# KiCad board HPM6P00ADCEVKRevB.kicad_pcb (continued)
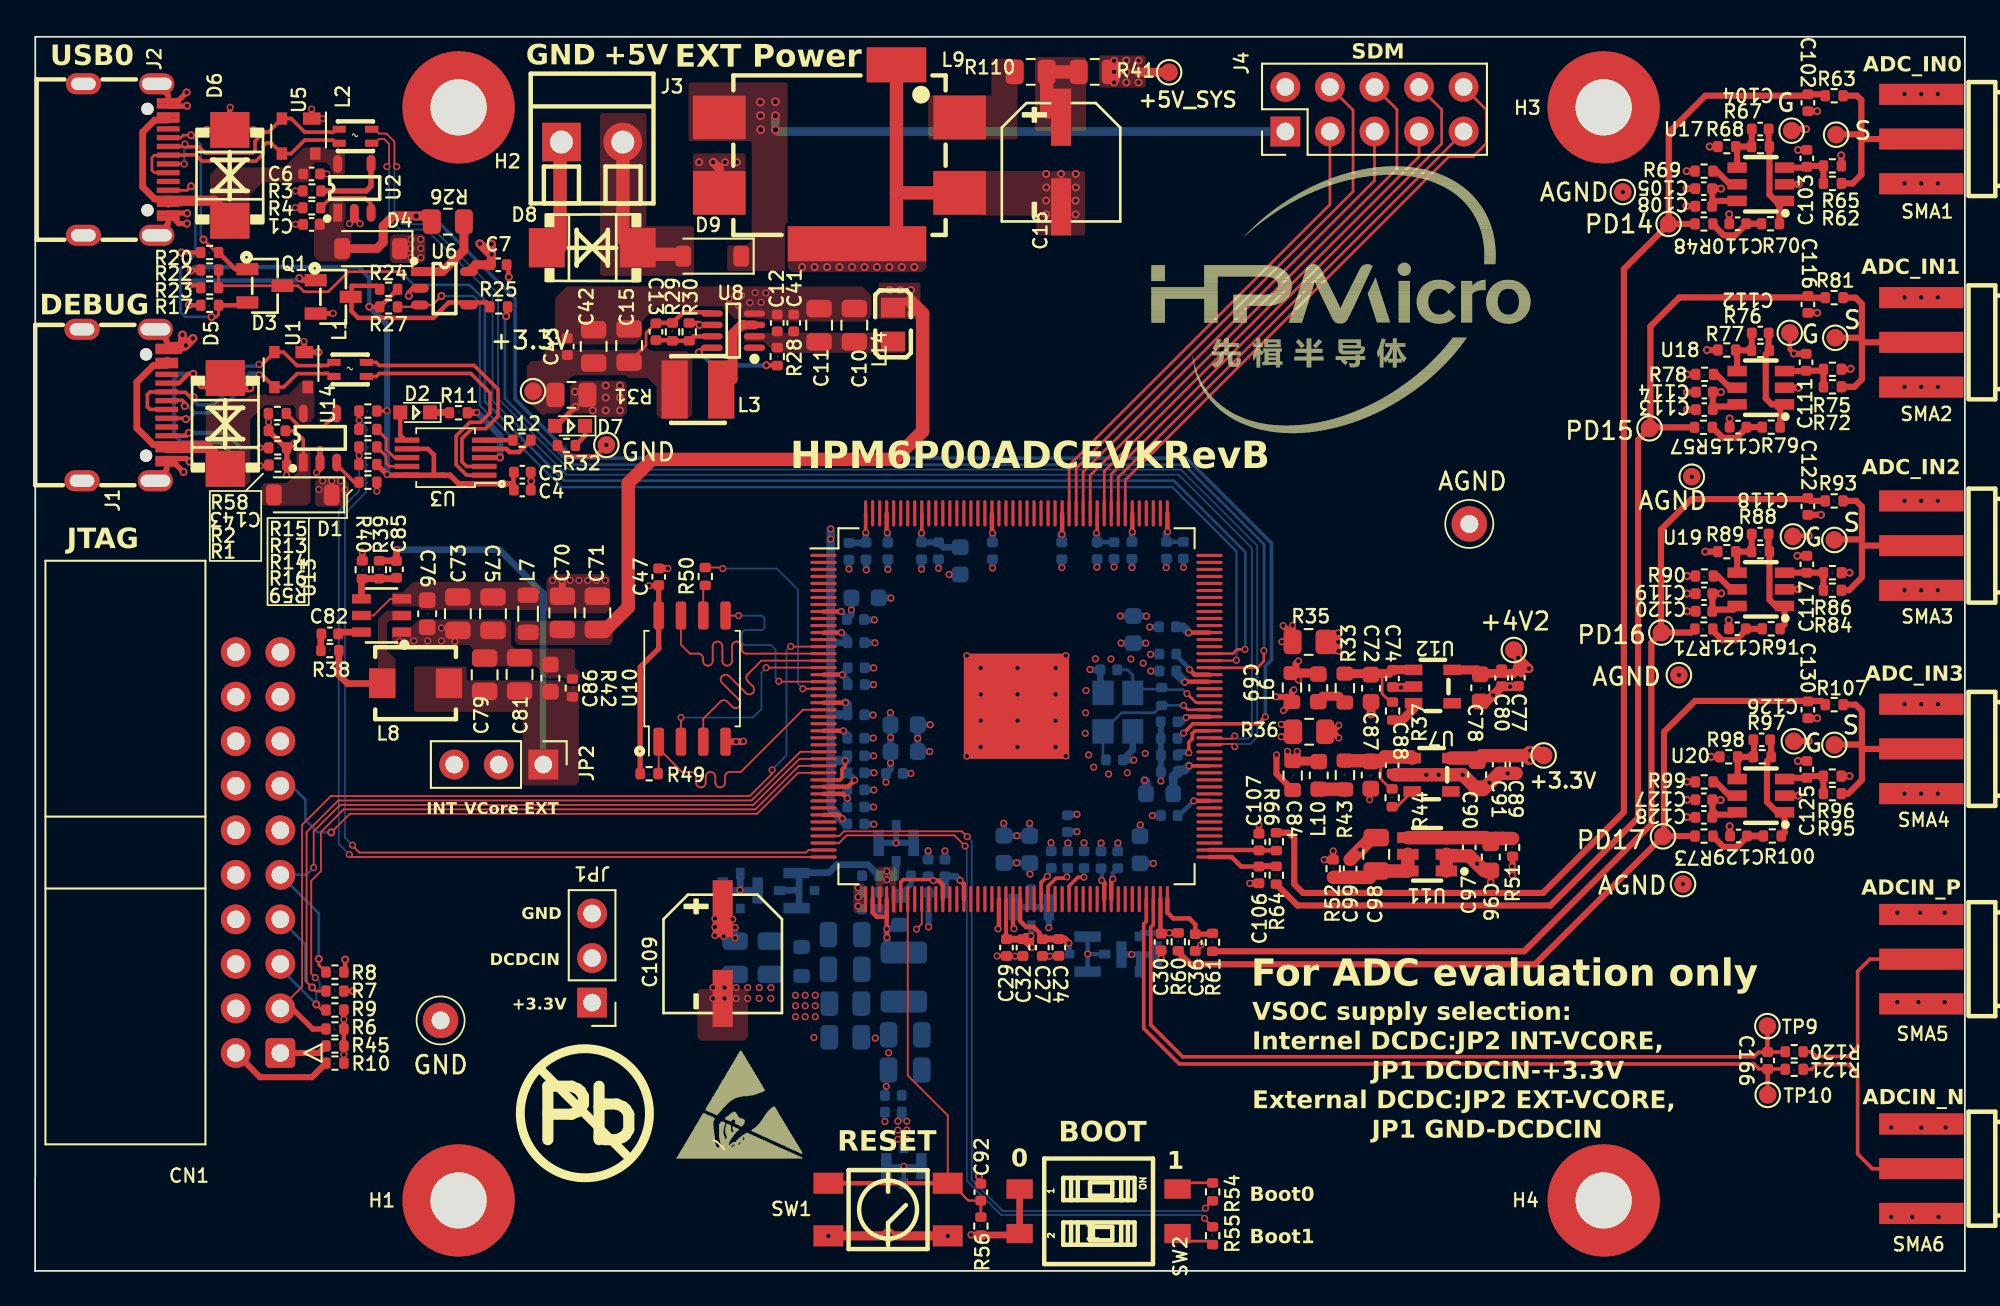
[diagram p0: board, top side]
## Routing (per net, layer and track width the routed paths; a pad name or vN(x,y) marks a point on that pad's centre or on a via; arc(x,y) is an arc through that point) (continued)
+5V: length 35.5
  TOP.Cu w0.203: D1.1 16.91,45.06 v1(16.91,45.06)
  TOP.Cu w0.254: v2(26.02,57.97) 26.02,57.38
  TOP.Cu w0.3: D4.1 21.42,58.3 v1(21.43,58.31)
  TOP.Cu w0.508: U6.5 25.12,57.38 26.02,57.38 26.01,57.39 v2(26.01,58.56) ; v2(26.02,57.97) 25.96,57.97 v2(25.35,58.58)
  BOTTOM.Cu w0.508: J4.1 42.3,64.98 v4(42.2,65.08) v4(42.2,65.88)
  vias: v1(16.18,44.56) v1(16.39,45.06) v1(17.42,45.06) v1(17.66,44.54) v1(21.43,58.82) v1(21.43,57.78) v1(21.98,58.83) v1(21.98,58.32) v1(21.98,57.79) v4(41.34,66.66) v4(41.35,65.88) v4(41.36,65.08) v4(42.2,66.68)
GND: length 138.9
  TOP.Cu w0.203: R59.1 v1(19.48,44.47)
  TOP.Cu w0.25: 28.28,45.55 28.28,44.54 ; 25.5,46.38 26.49,46.38 v2(26.5,46.39) ; 29.92,64.2 29.95,64.23
  TOP.Cu w0.254: R17.2 8.78,55.07 v2(8.77,55.08) ; v2(21.3,55.61) 21.3,55.81 21.53,56.04 U6.2 ; v2(32.56,47.11) 31.9,46.45 30.41,46.45 R32.1 ; v2(27,56.68) 26.98,56.7 26.98,57.38 ; 8.2,52.73 8.2,52.48 8.25,52.43 ; 8.2,52.73 8.55,52.73 8.25,52.43 ; 8.2,52.73 7.5,52.73 7.75,52.73 ; R20.2 v2(8.34,58.08) ; 53.91,4.98 53.8,5.1 v2(53.8,5.4) ; R30.1 37.76,54.06 v2(37.87,53.95) U8.6 ; 8.25,52.43 7.5,52.43 ; R8.2 17.67,17.12 v2(17.67,17.75)
  TOP.Cu w0.3: D6.1 11.1,66.34 v1(11.12,66.36) ; D6.1 12.44,65.07 v1(12.45,65.08) ; D6.1 9.82,65.07 v1(9.79,65.1) ; v1(14.77,47.22) 14.49,46.94 R2.2 ; C1.2 14.85,59.68 v1(14.84,59.69) ; v1(17.92,59.72) 18.2,60 U2.2 18.2,60.05 v1(18.53,59.72) ; v1(15.33,53.01) 15.34,53 U1.1 16.15,52.4 v2(16.16,52.39) ; Q1.2 16.98,54.6 v1(16.99,54.61) ; v1(14.33,45.39) 14.35,45.41 R1.2 14.35,46.93 R2.2 ; R3.1 v1(14.84,61.59) ; R2.2 14.28,46.94 C143.2 v1(13.31,48.42) 13.3,48.43 R58.1 ; v1(16.39,65.72) U5.1 15.77,66.25 v1(15.76,66.26) ; v1(16.24,46.85) U14.2 16.24,45.74 v1(16.04,45.54) ; R4.1 14.84,60.63 v1(14.83,60.64) ; C6.2 v1(16.63,62.56)
  TOP.Cu w0.305: v2(8.67,60.31) 8.65,60.33 J2.B1 8.19,59.73 v2(8.66,59.73) ; J2.1 7.59,67.05 J2.A1 8.16,66.73 v2(8.64,67.21) ; 7.5,46.33 8.63,46.33 v2(8.81,46.15) ; v2(8.66,66.45) 8.64,66.43 J2.B12 ; v2(8.46,45.56) 7.99,46.03 7.5,46.03 7.5,45.71 J1.2 ; 7.5,52.73 7.5,53.05 J1.1 ; J2.A12 7.59,59.71 J2.2
  TOP.Cu w0.349: v1(71.07,35.88) 71.08,35.87 R35.1 ; 71.42,30.46 R36.1 71.29,31.17 ; R35.1 71.68,36.26 v1(71.14,36.8) ; R35.1 v1(71.68,36.81) ; v1(70.76,29.43) 70.76,28.35 C84.2 ; v1(71.16,31.96) C69.2 ; C69.2 71.64,33.03 v1(71.75,33.14) ; C69.2 71.34,32.74 v1(70.71,32.74)
  TOP.Cu w0.381: R11.2 24.66,48.96 v1(25.17,48.96) ; v1(40.38,30.2) 40.35,30.18 v1(39.95,30.18) U10.4 ; R40.1 18.65,41.01 v1(18.65,41.01) ; C47.2 35.55,40.06 v1(36.07,40.06) ; v1(71.03,30.46) 71.42,30.46 ; 71.29,31.17 71.08,31.17 ; C70.2 30.05,39.36 v1(30.03,39.38)
  TOP.Cu w0.508: v2(38.65,63.23) 39,62.88 L9.3 ; 7.75,52.73 8.4,52.73 v2(8.4,53.38) ; v2(9.48,50.56) 9.5,50.54 11.34,50.54 11.52,50.36 v2(12.25,50.36) ; 8.55,52.73 v2(9,53.18) ; v1(45.22,2) v1(52.02,2)
  TOP.Cu w0.762: 49.1,61.45 49.13,61.48 L9.4 ; 49.1,61.45 49.1,58.59 ; 49.1,61.45 L9.5 ; 29.92,58.37 29.92,64.2
  BOTTOM.Cu w0.254: v1(65.46,40.12) 65.45,40.13 C133.2 ; C59.2 64.07,35.16 v1(63.58,35.16) ; W1.3 v1(49.52,5.96) ; v1(49.52,5.96) W1.2 ; v1(49.52,5.96) W1.4 ; C93.2 v1(61.5,40.15)
  BOTTOM.Cu w0.349: 64.17,29.42 C83.2 v1(64.17,27.94) ; C95.2 v1(51.5,40.07) ; v1(49.08,24.41) W5.4 ; W5.3 W5.2 ; C64.2 v1(50.93,19.62) ; 64.11,36.72 v1(63.53,36.72) ; 64.17,31.32 64.17,30.37 ; 64.16,29.42 C54.2
  BOTTOM.Cu w0.381: C55.2 47.79,33.44 v1(47.79,33.44) ; v1(61.86,37.35) C142.2 63.34,37.35 v1(63.35,37.34) ; C94.1 47.81,25.48 v1(47.81,25.48) ; C172.2 59.79,24.42 v1(59.79,24.42) ; v1(48.61,40) 48.6,40.01 48.6,40.45 ; v1(59.39,26.04) 59.38,26.03 58.85,26.03 ; v1(58.87,24.41) 58.86,24.4 C35.2 ; v1(63,25.44) 62.98,25.42 C136.2 ; v1(47.38,39.98) 47.38,40.45 ; C132.2 47.79,34.4 v1(47.8,34.39) ; v1(47.78,30.39) 47.27,30.39 C57.2 ; C62.2 47.81,27.44 v1(47.81,27.43) ; v1(58.53,40.11) 58.53,40.45 ; v1(47.84,37.13) 47.26,37.13 C137.2 ; v1(50.99,29.62) C138.2 v1(50.31,30.37) C140.2 v1(51.02,31.15) ; C56.1 v1(50.9,23.96) ; W2.2 40.22,21.69 ; 40.22,21.69 v1(40.19,21.72) W2.4 ; 40.22,21.69 W2.3 ; v1(51.87,23.95) C65.2 ; C63.2 v1(47.8,26.46) ; v1(61.72,24.41) 61.71,24.4 C48.2 ; v2(26.5,46.39) 26.5,47.64 25.18,48.96 v1(25.17,48.96) ; C139.2 v1(60.76,24.41) ; v1(63.59,34.21) 63.6,34.22 64.11,34.22 ; C49.2 57.92,24.42 v1(57.91,24.43) ; v1(47.8,29.37) 47.8,29.38 C40.1 ; v1(50.53,40.02) 50.53,40.45 ; 60.15,34.28 C66.2 60.72,33.12 ; v1(48.78,38.37) 48.77,38.38 C38.2 ; v1(62.53,40.11) 62.53,40.45 ; C131.2 v1(49.92,28.37) ; v1(47.82,28.41) C58.2 ; C134.2 v1(52.1,39.72) ; C67.2 62.57,29.71 X1.4 ; v1(62.63,29.13) 62.01,29.13 ; v1(55.21,25.53) 55.22,25.52 C141.2 v1(55.96,24.82) 56.69,24.82 C135.2 56.7,25.52 v1(56.69,25.53) ; 54.58,40.58 54.57,40.57 v1(54.57,40.09) ; v1(47.77,31.7) 47.76,31.71 C46.1 ; C123.2 v1(46.39,40.03) ; C50.2 v1(63.68,25.97) ; v1(64.47,40.11) 64.47,40.45 ; C45.1 47.86,35.83 v1(47.87,35.82) ; v1(60.53,40.14) 60.53,40.45
  BOTTOM.Cu w0.508: C39.2 63.32,27.9 v1(63.25,27.98)
  vias: v1(20.77,35.9) v1(21.59,35.93) v1(22.37,35.93) v1(23.16,36.67) v1(23.16,35.93) v1(23.92,35.9) v1(29.5,39.38) v1(30.5,39.38) v1(31,39.38) v1(31.5,39.38) v1(32,39.38) v1(32.5,39.38) v1(38.64,16.16) v1(38.64,15.54) v1(39.3,16.16) v1(39.3,15.54) v1(39.55,55.45) v1(39.96,16.16) v1(39.96,15.54) v1(40.11,55.05) v1(40.27,55.64) v1(40.62,16.16) v1(40.62,15.54) v1(40.74,55.22) v1(41.04,55.79) v1(41.28,16.16) v1(41.28,15.54) v1(41.38,55.24) v1(41.65,55.77) v1(41.94,16.16) v1(41.94,15.54) v1(43.34,15.72) v1(43.34,15.12) v1(43.34,14.5) v1(43.9,15.72) v1(43.9,15.12) v1(43.9,14.5) v1(44.39,13.31) v1(44.47,15.72) v1(44.47,15.12) v1(44.47,14.5) v1(47.89,13.28) v1(48.44,8.52) v1(48.52,10.53) v1(48.65,12.44) v1(53.11,35.09) v1(53.11,29.36) v1(53.9,34.38) v1(53.9,32.88) v1(53.9,31.38) v1(53.9,29.88) v1(56,34.38) v1(56,32.88) v1(56,31.38) v1(56,29.88) v1(58.17,34.38) v1(58.17,32.88) v1(58.17,31.38) v1(58.17,29.88) v1(58.75,35.09) v1(58.75,29.37) v1(59.9,33.1) v1(59.88,31.83) v1(59.86,30.66) v1(60.13,34.3) v1(60.05,29.43) v1(60.34,28.73) v1(60.44,34.91) v1(61.19,28.34) v1(61.32,34.9) v1(62.26,28.41) v1(62.46,34.9) v1(63.16,34.66) v1(63.28,29.51) v1(71.03,31.17) v2(8.6,52.78) v2(28.28,45.04) v2(37.85,63.23) v2(39.33,63.23) v2(40,63.23) v2(43.72,57.25) v2(44.43,57.25) v2(45.14,57.25) v2(45.85,57.25) v2(46.56,57.25) v2(47.27,57.25) v2(47.98,57.25) v2(48.69,57.25) v2(49.4,57.25) v2(50.12,57.25) v2(57.63,62.56) v2(57.64,61.79) v2(57.63,61.04) v2(57.63,60.25) v2(58.48,62.56) v2(59.32,62.56) v2(59.32,61.79) v2(59.31,61.04) v2(59.31,60.25) v3(48.64,2.03)
GNDA: length 67.2
  TOP.Cu w0.25: v2(100.25,52.32) 100.02,52.55 TP16.1 ; v2(101.1,41.92) 100.18,41.92
  TOP.Cu w0.254: v1(54.84,17.96) C29.2 C32.2 ; 58.18,17.97 58.17,17.96 57.24,17.96 ; U9.66 55.74,19.57 v1(55.8,19.52) ; v1(54.88,19.51) 54.94,19.57 U9.64 ; 94.17,26.86 94.63,26.86 C127.2
  TOP.Cu w0.3: 94.19,50.11 94.2,50.12 94.64,50.12 ; v1(69.75,25.44) 69.76,25.43 C107.2 ; C30.2 64.18,17.84 v1(64.19,17.83) ; v1(76.07,26.88) 76.07,27.43 ; v1(66.45,18.58) 66.45,18.57 C36.2
  TOP.Cu w0.349: C113.2 94.18,49.12 94.17,49.11 ; v2(94.13,61.72) C105.2 ; v2(102.95,63.62) 102.96,63.61 R65.1 ; C121.2 96.55,37.11 v2(96.54,37.12) ; 73.77,35.87 v1(74.29,35.35) ; 73.77,35.87 v1(74.28,36.38) ; 73.77,35.87 R35.2 ; v1(74.29,35.35) 74.28,35.36 v1(74.28,36.38) ; v1(74.29,35.35) 74.02,35.35 R35.2 ; 94.15,38.63 94.16,38.62 94.62,38.62 ; R96.1 v2(103.42,28.22) ; v2(101.58,54.64) C116.2 ; v2(101.58,66.14) C102.2 ; v1(74.31,31.12) 73.94,30.75 R36.2 73.96,30.75 v1(74.31,30.4) ; R35.2 74.01,36.38 v1(74.28,36.38) ; R35.2 v1(74.28,35.87) ; v2(94.14,62.72) R69.2 ; C122.2 v2(101.8,43.12) ; v2(100.51,27.11) 100.5,27.1 99.81,27.1 ; R68.2 v2(95.45,64.12) ; v2(96.59,48.62) 96.59,48.61 C115.2 ; C130.2 v2(101.58,31.52) ; R77.2 v2(95.3,52.52) ; R98.2 v2(95.53,29.32) ; v2(94.13,60.73) 94.62,60.73 C108.2 ; v2(100.25,52.32) 100.27,52.3 C111.2 ; v2(100.45,40.78) C117.2 ; U18.2 v2(100.51,50.37) ; R86.1 v2(103.42,39.82) ; 100.15,65.12 v2(100.95,65.12) ; v2(96.59,25.36) 96.59,24.8 ; C110.2 96.57,60.26 v2(96.56,60.26) ; v2(100.48,29.08) C125.2 ; 94.12,27.9 94.13,27.89 R99.2 ; v2(94.16,25.88) 94.17,25.87 C128.2 ; v2(100.49,63.93) C103.2 ; R89.2 v2(95.2,41.02) ; U19.2 v2(100.51,38.87) ; R75.1 103.46,51.42 v2(103.49,51.45) ; U17.2 v2(100.52,61.97) ; v2(94.16,39.63) R90.2 ; 94.14,37.62 94.62,37.62 ; 100.25,30.22 v2(101.1,30.22) ; v2(94.16,51.13) R78.2
  TOP.Cu w0.381: v1(69.24,22.1) C106.2 ; C96.2 82.98,22.18 v1(82.96,22.17)
  TOP.Cu w0.508: U12.2 78.52,33.28 77.37,33.28 ; 84.55,33.33 84.54,33.32 v1(84.08,33.32) 83.59,33.32 v1(83.11,32.84) 82.7,32.43 82.37,32.43 ; 76.15,32.4 76.15,31.77 v1(76.16,31.76)
  TOP.Cu w0.762: 74.96,23.46 v1(75.52,24.02) 75.97,24.48 ; 77.5,28.3 U7.2 v1(79.3,28.3) v1(81.37,28.3) 82.2,27.47 82.55,27.47 83.46,28.38 84.42,28.38 ; U11.2 U11.1 ; 82.59,22.83 v1(82.2,23.23) C97.2 80.53,23.68
  BOTTOM.Cu w0.254: v1(60,18.07) W6.3 ; v1(60,18.07) W6.4 ; v1(60,18.07) W6.2
  BOTTOM.Cu w0.349: W8.4 62.93,18.04 62.92,18.05 ; 56.77,20.75 W7.3 v1(57.78,19.57) ; 56.77,20.75 56.78,20.76 W7.4 ; 56.77,20.75 W7.2 ; 62.92,18.05 W8.2 ; 62.92,18.05 v1(62.51,18.05) W8.3
  vias: v1(55.86,17.95) v1(57.84,17.95) v1(77.86,33.27) v1(80,28.3) v1(82.9,27.85) v1(83.93,28.37) v1(93.93,22.06) v1(105.8,8.18) v1(105.8,3.08) v1(106.15,20.43) v1(106.15,15.33) v1(107,3.08) v1(107.35,15.33) v1(107.45,20.43) v1(107.51,8.17) v1(108.5,3.08) v1(108.85,20.43) v1(108.85,15.33) v1(108.9,8.18) v2(90.5,61.53) v2(93.7,33.98) v2(94.16,50.11) v2(94.16,49.11) v2(94.16,38.63) v2(94.16,37.62) v2(94.16,27.9) v2(94.16,26.86) v2(94.43,45.29) v2(106.56,67.12) v2(106.56,62.02) v2(106.56,55.52) v2(106.56,50.42) v2(106.56,43.92) v2(106.56,38.82) v2(106.56,32.32) v2(106.56,27.22) v2(107.51,67.12) v2(107.51,62.02) v2(107.51,55.52) v2(107.51,50.42) v2(107.51,43.92) v2(107.51,38.82) v2(107.51,32.32) v2(107.51,27.22) v2(108.46,67.12) v2(108.46,62.02) v2(108.46,55.52) v2(108.46,50.42) v2(108.46,43.92) v2(108.46,38.82) v2(108.46,32.32) v2(108.46,27.22)
VBUS: length 82.9
  TOP.Cu w0.203: R26.2 22.31,60.15 v4(21.72,60.15) ; v1(70.12,31.6) 69.73,31.2 U9.108 66,31.2 v1(65.46,30.67)
  TOP.Cu w0.508: D4.2 19.48,58.3 19.84,58.66 19.84,59.59 20.42,60.17 22.29,60.17
  TOP.Cu w0.762: 22.29,60.17 R26.2
  BOTTOM.Cu w0.203: 65.12,30.49 65.28,30.49 v1(65.46,30.67) ; v1(70.12,31.6) 70.12,34.49 70.47,34.84 70.47,41.51 65.62,46.35 30.72,46.35 27.36,49.72 27.36,55.44 22.65,60.15 v4(21.72,60.15)
VDD_SOC: length 42.9
  TOP.Cu w0.203: U9.143 60.54,42.12 v1(60.5,42.08) ; v1(50.53,42.08) 50.54,42.1 U9.168 ; v1(47.35,42.1) 47.34,42.11 U9.176 ; v1(58.81,22.47) 58.74,22.4 58.2,22.4 57.74,21.94 U9.71 ; v1(65.78,28.8) U9.102
  TOP.Cu w0.254: v1(65.61,31.56) 65.66,31.6 66.94,31.6 ; U9.133 64.54,42.16 v1(64.55,42.16) ; v1(60.8,22.27) 60.94,22.13 U9.79 ; v1(45.95,37.6) 44.94,37.6 ; 44.94,27.6 45.7,27.6 ; U9.18 46,34 v1(46.01,33.99) ; 66.88,33.6 65.56,33.6 v1(65.53,33.57) ; U9.26 v1(46.08,30.8) ; v1(46.72,28) 46.34,27.61 45.35,27.61
  BOTTOM.Cu w0.102: 47.35,41.51 47.36,41.49
  BOTTOM.Cu w0.203: 58.82,22.97 58.82,22.48 v1(58.81,22.47)
  BOTTOM.Cu w0.254: v1(60.8,22.27) 60.8,22.93 C139.1 ; C93.1 C101.1 ; 46.42,37.34 46.22,37.34 v1(45.95,37.6) ; 65.52,41.57 65.51,41.58 C34.1 ; 60.53,42.05 v1(60.5,42.08)
  BOTTOM.Cu w0.349: 65.13,31.32 65.37,31.32 v1(65.61,31.56) ; C95.1 C33.1 ; C137.1 46.53,37.4 v1(46.53,37.69) 46.53,38.61 46.5,38.64
  BOTTOM.Cu w0.381: C33.1 50.53,41.55 v1(50.53,42.08) ; v1(46.72,28) 46.3,28.41 C58.1 ; C123.1 47.35,41.52 C37.1 47.35,41.54 v1(47.35,42.1) ; 58.85,25.07 59.37,25.07 v1(59.39,25.05) ; C136.1 v1(63.74,23.24) ; v1(64.55,42.16) 64.47,42.08 64.47,41.56 64.55,41.48 ; v1(48.5,27.87) C131.1 48.76,28.63 v1(48.76,28.97) C138.1 v1(48.76,30.42) C140.1 48.76,31.83 v1(48.75,31.84) ; C134.1 51.78,41.27 C95.1 ; C141.1 v1(55.95,23.27) 56.69,23.27 C135.1 56.7,22.64 v1(56.71,22.63) ; v1(61.9,35.81) 61.91,35.8 C142.1 v1(63.31,35.8) ; C55.1 46.32,33.68 v1(46.01,33.99) 46.32,34.3 C132.1 ; v1(46.08,30.8) 46.3,30.58 C57.1 ; 60.53,41.41 60.53,42.05
  BOTTOM.Cu w0.508: C39.1 64.88,28.19 C83.1 ; 65.13,28.57 65.54,28.57 v1(65.78,28.8) ; 65.53,33.61 65.07,34.07 65.07,34.22
(no net): length 39.2
  GND02.Cu w0.152: 59.67,59.42 65.73,59.42 70.02,55.13 70.02,36.68 70.48,36.22 70.48,35.21 70.28,35.01 70.28,32.29 70.55,32.02 70.55,31.22 70.16,30.83 70.16,29.06 70.45,28.77
/HPM600ADCEVK MAINENTRY/ADC_Signal_IN/IN0: length 11.8
  TOP.Cu w0.349: R63.1 103.85,67.02 104.1,66.77 104.1,64.82 ; R62.1 103.6,62.02 104.1,62.52 104.1,64.57 ; 105.52,64.55 105.5,64.57 ; 104.1,64.82 104.1,64.57 ; 104.1,64.82 102.45,64.82 ; 104.1,64.57 104.12,64.55 SMA1.5
/HPM600ADCEVK MAINENTRY/ADC_Signal_IN/IN1: length 12
  TOP.Cu w0.349: R72.1 103.7,50.42 104.13,50.85 104.13,52.97 ; R81.1 103.76,55.51 104.13,55.14 104.13,53.17 ; 104.13,53.17 104.13,52.97 ; 104.13,53.17 104.08,53.22 102.45,53.22 ; 104.13,52.97 104.14,52.96 SMA2.5 ; 105.5,52.96 105.5,52.96
/HPM600ADCEVK MAINENTRY/ADC_Signal_IN/IN2: length 11.8
  TOP.Cu w0.349: 104.13,41.27 104.22,41.36 SMA3.5 ; 104.13,41.27 104.13,41.77 ; 104.13,41.27 104.13,39.55 103.4,38.82 R84.1 ; 104.13,41.77 104.13,43.59 103.8,43.91 R93.1 ; 104.13,41.77 104.08,41.72 102.45,41.72
/HPM600ADCEVK MAINENTRY/ADC_Signal_IN/IN3: length 11.8
  TOP.Cu w0.349: 105.51,29.77 105.5,29.76 ; 104.13,29.77 104.13,28 103.35,27.22 R95.1 ; 104.13,29.77 SMA4.5 ; 104.13,29.77 104.13,30.12 ; 104.13,30.12 104.03,30.02 102.45,30.02 ; 104.13,30.12 104.13,31.94 103.77,32.29 R107.1
/HPM600ADCEVK MAINENTRY/ADCIN_N: length 46.4
  TOP.Cu w0.203: R121.2 99.74,11.52 C166.2 98.26,11.52 97.97,11.81 65.22,11.81 63.19,13.84 63.19,19.78 63.34,19.93 U9.85
  TOP.Cu w0.254: TP10.1 C166.2
/HPM600ADCEVK MAINENTRY/ADCIN_P: length 45.8
  TOP.Cu w0.203: R120.2 99.74,12.48 C166.1 98.24,12.48 97.97,12.21 65.41,12.21 63.59,14.03 63.59,19.6 63.74,19.75 U9.86
  TOP.Cu w0.254: TP9.1 98.74,12.5 C166.1
/HPM600ADCEVK MAINENTRY/DEBUG/DN1: length 14.9
  TOP.Cu w0.2: v2(9.03,49.83) 8.85,49.83 8.57,50.1 8.03,50.1 8,50.13 6.55,50.13 6.4,49.98 6.4,49.28 6.55,49.13 7.5,49.13
  TOP.Cu w0.203: v1(12.76,51.7) 12.84,51.63 12.87,51.63 U1.2 14.17,52.4 14.94,51.63 16.29,51.63 16.3,51.64 16.69,51.64 16.86,51.81 L1.1
  BOTTOM.Cu w0.2: v2(9.03,49.83) 9.03,49.65 9.29,49.39 10.2,49.39 11.23,50.42 11.23,50.8 12.04,51.6 12.66,51.6 v1(12.76,51.7)
/HPM600ADCEVK MAINENTRY/DEBUG/DP1: length 13.7
  TOP.Cu w0.2: 7.5,49.63 8,49.63 8.03,49.66 8.39,49.66 8.53,49.51 v2(8.53,49.33) ; 7.5,48.63 8.55,48.63 v2(8.6,48.58)
  TOP.Cu w0.203: L1.4 16.86,51.01 16.69,51.18 16.48,51.18 16.47,51.17 14.94,51.17 14.17,50.4 U1.3 12.87,51.17 12.84,51.17 v1(12.76,51.1)
  BOTTOM.Cu w0.2: v1(12.76,51.1) 12.66,51.2 12.2,51.2 11.69,50.68 11.69,50.24 10.38,48.94 9.11,48.94 ; 9.11,48.94 8.71,49.33 v2(8.53,49.33) ; 9.11,48.94 8.75,48.58 v2(8.6,48.58)
/HPM600ADCEVK MAINENTRY/DEBUG/USB2UART_N: length 14.9
  TOP.Cu w0.203: L1.2 19.45,51.81 19.62,51.64 25.02,51.64 26.39,50.27 26.39,48.75 25.68,48.04 24.9,48.04 24.33,47.47 24.33,46.15 24.6,45.88 25.5,45.88
/HPM600ADCEVK MAINENTRY/DEBUG/USB2UART_P: length 14.6
  TOP.Cu w0.203: 25.5,45.38 24.6,45.38 24,45.98 24,47.62 24.77,48.39 25.39,48.39 25.93,48.93 25.93,50.09 24.84,51.18 19.62,51.18 19.45,51.01 L1.3
/HPM600ADCEVK MAINENTRY/MCU_POWER/T1: length 7.3
  TOP.Cu w0.254: U9.46 47.74,20.44 47.98,20.2 48.54,20.2 48.54,20.42 ; 48.54,20.42 U9.48 ; 48.54,20.42 v1(48.54,19.51) 48.54,19.03 v1(48.56,19.01)
  BOTTOM.Cu w0.3: 49.51,18.51 49.83,18.19
  BOTTOM.Cu w0.381: R47.2 49.06,19.53 48.56,19.53 v1(48.54,19.51) 48.54,18.78 49.16,18.16 L4.2
/HPM600ADCEVK MAINENTRY/MCU_USB&OSC/RESETN: length 27.5
  TOP.Cu w0.102: SW1.3 52.02,8.87 49.74,11.15 U9.51 49.78,21.24 ; C92.1 54.07,4.01 54.11,4.05
  TOP.Cu w0.127: SW1.3 52.21,5 53.2,4.01 53.9,4.01 53.91,4.02
  TOP.Cu w0.152: 53.91,4.02 R56.2
  TOP.Cu w0.25: SW1.4 SW1.3
/HPM600ADCEVK MAINENTRY/PA0: length 51.8
  TOP.Cu w0.102: v1(17.91,23.75) 18.06,23.6 44.94,23.6
  TOP.Cu w0.3: R14.2 R16.2
  BOTTOM.Cu w0.102: 17.35,43.37 17.53,43.55 ; 17.53,43.55 18.47,44.49 v1(18.47,46.5) ; 17.53,43.55 17.31,43.33 17.31,24.35 v1(17.91,23.75)
/HPM600ADCEVK MAINENTRY/PA1: length 53.2
  TOP.Cu w0.102: v1(18.09,24.28) 18.09,24.25 18.48,23.86 43.94,23.86 44.09,24 U9.43
  TOP.Cu w0.203: R15.2 R13.2
  BOTTOM.Cu w0.102: v1(18.09,24.28) 17.66,24.71 17.66,43.2 18.85,44.39 18.85,48.13 v1(18.47,48.51)
/HPM600ADCEVK MAINENTRY/PA2: length 42.7
  TOP.Cu w0.102: v1(66.66,3) 66.66,2.98 R55.2 67.12,2.52 ; U9.42 45.83,24.41 46.26,24.84 52.4,24.84 v1(53.01,24.23)
  BOTTOM.Cu w0.102: v1(53.01,24.23) 53.11,24.13 53.11,5.15 55.07,3.19 66.47,3.19 v1(66.66,3)
/HPM600ADCEVK MAINENTRY/PA3: length 42.8
  TOP.Cu w0.102: U9.41 45.84,24.8 46.11,25.07 52.83,25.07 v1(53.13,24.77) ; R54.2 66.71,3.59 v1(66.71,3.58)
  BOTTOM.Cu w0.102: v1(66.71,3.58) 66.54,3.41 55.16,3.41 53.39,5.19 53.39,24.51 v1(53.13,24.77)
/HPM600ADCEVK MAINENTRY/PA4: length 34.1
  TOP.Cu w0.102: v2(16.88,25.01) 17.94,26.07 41.16,26.07 43.49,28.41 U9.32
  BOTTOM.Cu w0.152: v2(16.88,25.01) 16.12,25.01 15.41,25.72 15.41,26.88 14.62,27.67 CN1.13
/HPM600ADCEVK MAINENTRY/PA5: length 44.4
  TOP.Cu w0.102: U9.31 43.53,28.8 41.05,26.32 17.58,26.32 16.29,25.03 16.29,22.8 15.74,22.25 15.74,16.95 v1(15.97,16.72)
  TOP.Cu w0.152: R9.2 16.35,14.88 v2(16.03,15.2)
  BOTTOM.Cu w0.102: v2(16.03,15.2) 16.03,15.79 16.22,15.98 16.22,16.47 v1(15.97,16.72)
  BOTTOM.Cu w0.152: v2(16.03,15.2) 13.98,17.25 CN1.5
/HPM600ADCEVK MAINENTRY/PA6: length 41.5
  TOP.Cu w0.102: v1(15.88,23) 15.88,25.07 17.39,26.58 40.95,26.58 43.58,29.2 U9.30
  TOP.Cu w0.152: v2(16.17,17.79) 16.17,17.45 R8.1
  BOTTOM.Cu w0.152: v2(16.17,17.79) 16.17,20.4 CN1.9 15.47,22.59 v1(15.88,23)
/HPM600ADCEVK MAINENTRY/PA7: length 45.9
  TOP.Cu w0.102: v2(15.79,16.17) 15.47,16.48 15.47,25.02 17.28,26.83 40.84,26.83 43.62,29.6 44.94,29.6
  TOP.Cu w0.152: R7.1 16,15.96 v2(15.79,16.17)
  BOTTOM.Cu w0.152: CN1.7 15.4,18.63 15.4,16.56 v2(15.79,16.17)
/HPM600ADCEVK MAINENTRY/PA8: length 51.6
  TOP.Cu w0.102: v1(42.01,28.57) 42.01,28.36 40.74,27.08 16.86,27.08 15.22,25.44 15.22,16.21 CN1.3 ; v1(43.07,35.61) 43.08,35.6 44.94,35.6
  TOP.Cu w0.3: CN1.3 14.65,14.97 15.82,13.8 R6.2 16.58,13.8
  BOTTOM.Cu w0.102: v1(42.01,28.57) 42.01,28.58 42.83,29.4 42.83,35.37 v1(43.07,35.61)
/HPM600ADCEVK MAINENTRY/PA24: length 16.5
  TOP.Cu w0.102: 35.58,28.52 35.55,28.55 35.55,28.8 ; 35.55,28.8 35.55,28.39 R49.1 ; 35.55,28.8 U10.1 35.55,29.78 36.88,28.45 37.4,28.45 arc(37.59,28.37) 37.67,28.18 37.67,27.85 arc(37.76,27.66) 37.95,27.58 arc(38.14,27.66) 38.22,27.85 38.22,28.18 arc(38.31,28.37) 38.5,28.45 arc(38.69,28.37) 38.78,28.18 38.78,27.85 arc(38.86,27.66) 39.05,27.58 arc(39.24,27.66) 39.33,27.85 39.33,28.18 arc(39.41,28.37) 39.6,28.45 40.22,28.45 43.78,32 U9.23
/HPM600ADCEVK MAINENTRY/PA26: length 12.8
  TOP.Cu w0.102: v1(43.76,33.2) 43.77,33.2 U9.20 ; R50.2 39.14,40.11 v1(39.2,40.05)
  BOTTOM.Cu w0.102: v1(43.76,33.2) 43.49,33.47 43.49,38.85 42.28,40.05 v1(39.2,40.05)
/HPM600ADCEVK MAINENTRY/PA27: length 11.3
  TOP.Cu w0.102: v1(40.1,37.37) 39.36,37.37 U10.5 ; v1(42.39,33.63) 42.42,33.6 44.94,33.6
  BOTTOM.Cu w0.102: v1(40.1,37.37) 41.43,37.37 41.57,37.23 41.57,36.67 41.45,36.55 40.44,36.55 40.29,36.4 40.29,35.83 40.42,35.7 41.94,35.7 42.21,35.43 42.21,33.81 v1(42.39,33.63)
/HPM600ADCEVK MAINENTRY/PA28: length 11.9
  TOP.Cu w0.102: v1(41.67,34.4) 41.68,34.41 U9.17 ; v1(36.82,31.56) 36.81,31.55 U10.2
  BOTTOM.Cu w0.102: v1(36.82,31.56) 40.92,31.56 41.4,32.04 41.4,34.13 v1(41.67,34.4)
/HPM600ADCEVK MAINENTRY/PA29: length 14.3
  TOP.Cu w0.102: 38.08,30.18 38.08,31.49 39.06,32.47 arc(39.26,32.55) 39.45,32.47 39.74,32.18 arc(39.93,32.1) 40.13,32.18 arc(40.21,32.38) 40.13,32.57 39.16,33.53 arc(39.08,33.73) 39.16,33.92 arc(39.36,34) 39.55,33.92 40.52,32.96 arc(40.71,32.88) 40.9,32.96 arc(40.99,33.15) 40.9,33.35 40.62,33.63 arc(40.54,33.83) 40.62,34.02 41.4,34.8 U9.16
/HPM600ADCEVK MAINENTRY/PA30: length 14.3
  TOP.Cu w0.102: U10.7 36.81,35.71 37.33,35.2 37.8,35.2 arc(37.99,35.12) 38.08,34.93 38.08,34.79 arc(38.16,34.6) 38.35,34.52 arc(38.54,34.6) 38.62,34.79 38.62,35.62 arc(38.71,35.81) 38.9,35.89 arc(39.09,35.81) 39.17,35.62 39.17,34.79 arc(39.26,34.6) 39.45,34.52 arc(39.64,34.6) 39.72,34.79 39.72,35.62 arc(39.81,35.81) 40,35.89 arc(40.19,35.81) 40.28,35.62 40.28,35.48 arc(40.36,35.29) 40.55,35.2 U9.15
/HPM600ADCEVK MAINENTRY/PC0: length 27.9
  TOP.Cu w0.152: U9.147 58.94,45.95 73.81,60.81 J4.3
/HPM600ADCEVK MAINENTRY/PC1: length 31.4
  TOP.Cu w0.152: J4.4 75.12,66.2 75.12,61.55 59.34,45.77 U9.146
/HPM600ADCEVK MAINENTRY/PC2: length 28.7
  TOP.Cu w0.152: J4.5 76.34,62.17 59.74,45.57 U9.145
/HPM600ADCEVK MAINENTRY/PC3: length 32.1
  TOP.Cu w0.152: J4.6 77.62,66.24 77.62,62.85 60.14,45.37 U9.144
/HPM600ADCEVK MAINENTRY/PC4: length 29.2
  TOP.Cu w0.152: J4.7 78.88,63.54 60.94,45.6 U9.142
/HPM600ADCEVK MAINENTRY/PC5: length 32.7
  TOP.Cu w0.152: U9.141 61.34,45.44 80.18,64.28 80.18,66.23 J4.8
/HPM600ADCEVK MAINENTRY/PC6: length 29.9
  TOP.Cu w0.152: J4.9 81.43,64.94 61.74,45.26 U9.140
/HPM600ADCEVK MAINENTRY/PC7: length 34.2
  TOP.Cu w0.152: J4.10 82.72,66.22 82.72,64.3 81.96,63.54 80.57,63.54 62.14,45.11 U9.139
/HPM600ADCEVK MAINENTRY/PC25: length 77.9
  TOP.Cu w0.152: R22.1 R23.2 10.57,56.18 D3.3 14.99,56.18 15.33,55.84 16.71,55.84 17.85,56.98 20.84,56.98 v2(20.94,56.88) ; U9.118 68.28,35.2 68.52,35.45 v1(68.96,35.45)
  BOTTOM.Cu w0.152: v2(20.94,56.88) 21.59,56.23 24.76,56.23 25.64,55.35 25.64,49.58 30.15,45.07 64.91,45.07 68.99,40.99 68.99,35.47 v1(68.96,35.45)